# Altium PCB DSO.PcbDoc (part 2 of 2)
Units mil, origin at the board's own origin, x right, y up, seen from the top; angles counter-clockwise.
Board outline 4330.71 x 3937.01 mil, 2 copper layers (Top Layer, Bottom Layer), stack 61.855 mil thick; 140 components, 120 nets, 544 pads, 427 vias.
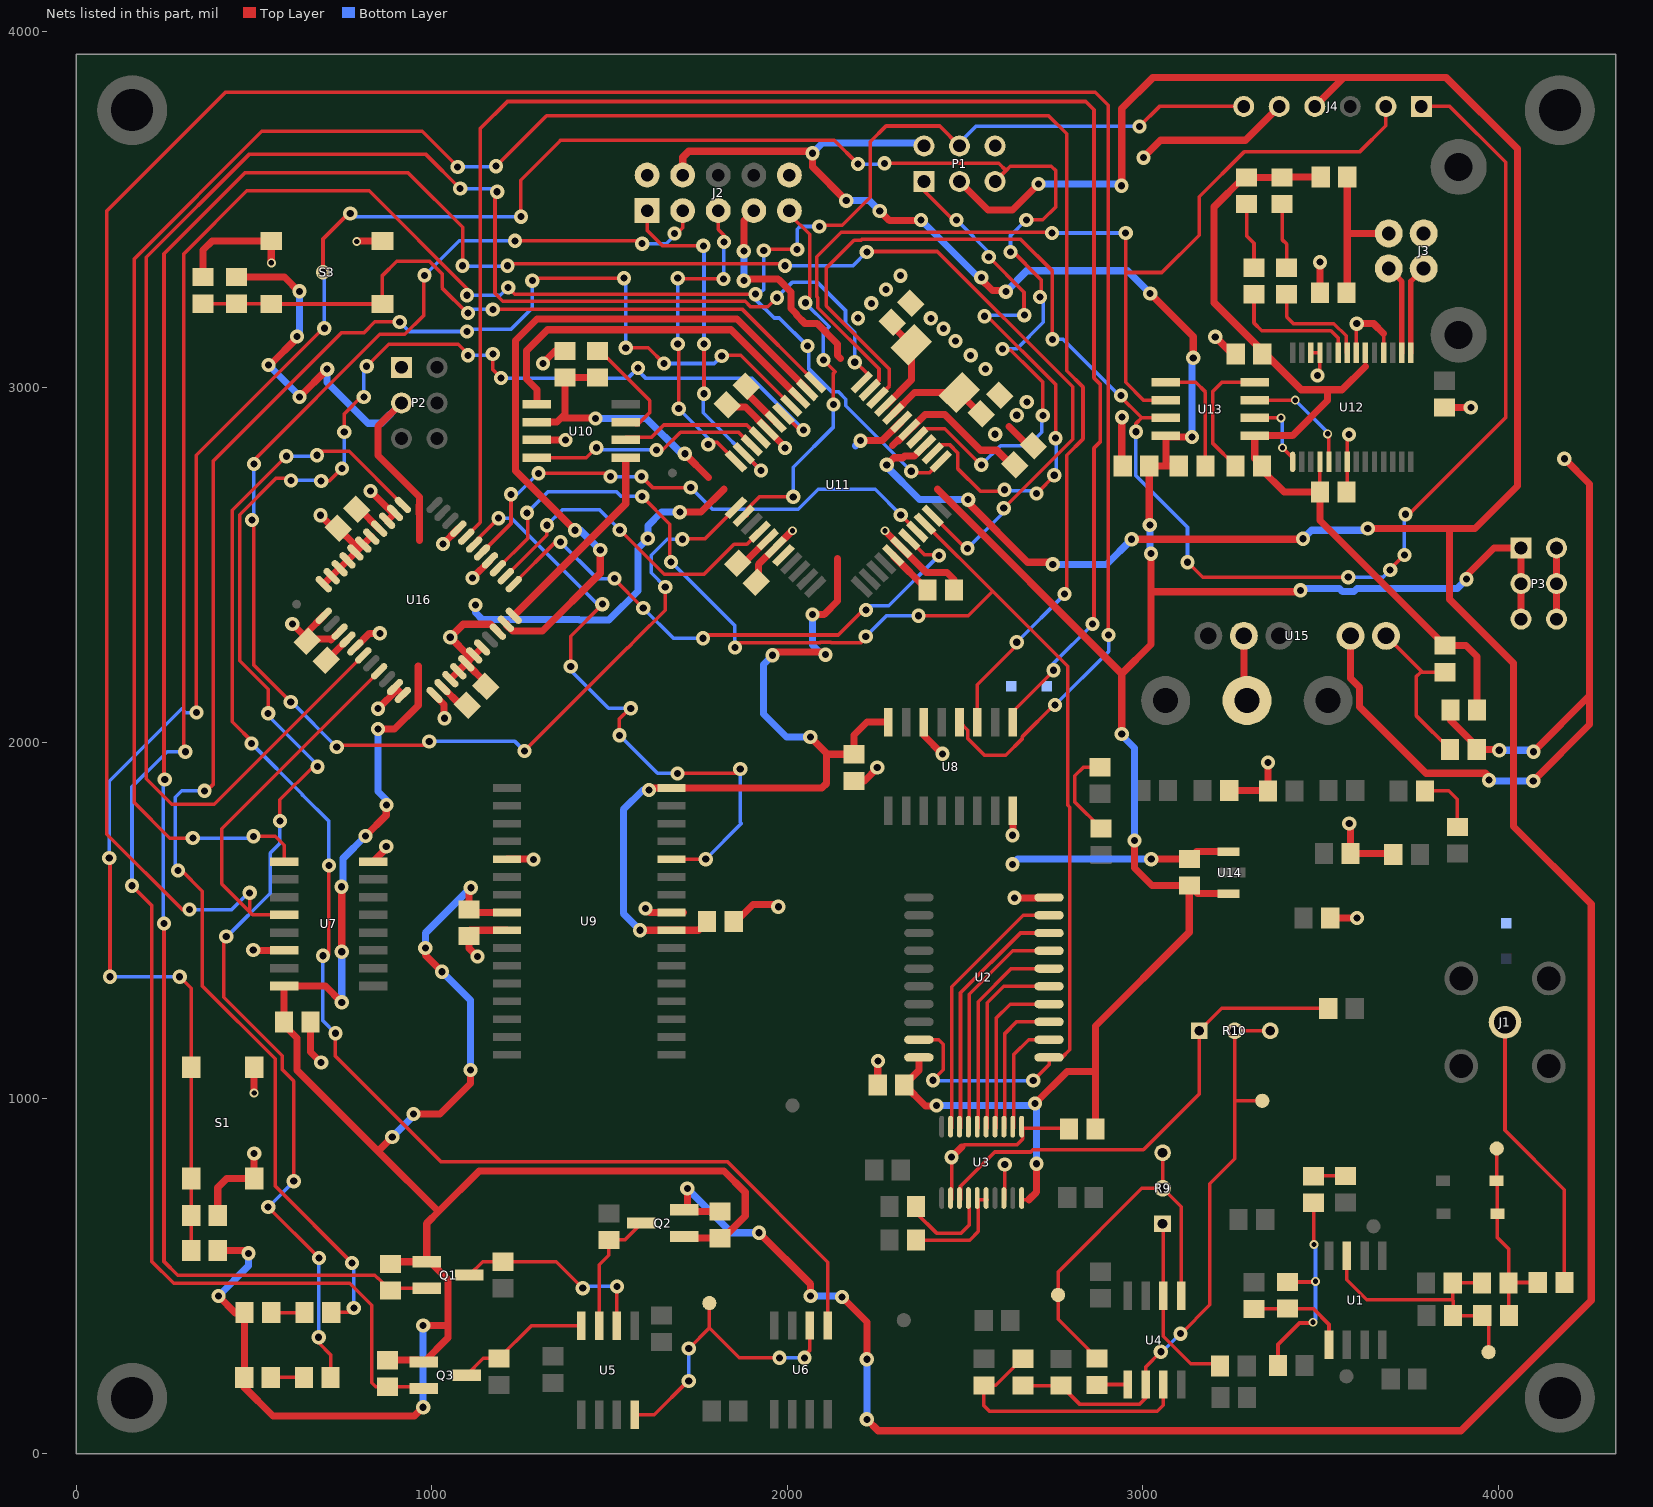
[diagram p2: the nets of this part, all layers, seen from the top]

## Via types
v1: diameter 40, hole 20, Top Layer to Bottom Layer, tented both sides, 415 vias
v2: diameter 25, hole 15, Top Layer to Bottom Layer, tented both sides, 12 vias

## Nets (pads, with @x,y where several pads share a name; then routed paths per layer and width w, separated by ;. In a path a pad name is that pad's centre, name@x,y a point inside that pad or via, vN(x,y) a via of type N, cw(c..) or ccw(c..) an arc to the next point about the centre after c; other vN are vias at no path point) (continued)
DGND: C12.2 C13.2 C18.2 C19.2 C20.2 C22.2 C23.2 C24.2 C25.2 C26.2 C28.2 C29.2 C34.1 C37.2 C41.2 C42.2 C43.2 C44.2 C48.2 C57.2 J2.2 J2.10 J4.5 NT2.2 P1.6 P2.1 S1.2 S3.2 U2.10 U3.1 U3.12 U3.18 U7.8 U7.14 U8.8 U8.14 U9.5 U9.9 U9.25 U10.3 U11.6 U11.18 U11.28 U11.39 U14.1 U16.4 U16.8 U16.13 U16.14 U16.16 U16.17 U16.18 U16.19 U16.20 U16.21 U16.22 U16.23 U16.25 U16.27 U16.32 U16.33 U16.34 U16.36 U16.37 U16.38 U16.39 U16.40 U16.42 | length 6425
  Top Layer w10: U3.12@2462.5,714.61 v1(2462.5,834.5) ; 2491,863 2497.88,869.88 2646.57,869.88 2662.5,885.81 2662.5,915.39 C48.2@2791.2,915.39 ; v1(2612,814) 2612,715.11 U3.18@2612.5,714.61
  Top Layer w20: C22.2@357,3309.9 357,3386 382.58,3411.58 S3.2@548.5,3411.58 548.5,3350.5 v2(549,3350) ; C20.2@398.24,670 398.24,749.24 423.5,774.5 S1.2@500.58,774.5 v1(500.58,845) ; v1(498,1417) 497,1416 U7.14@585,1416 ; v2(500.58,1015) S1.2@500.58,1087.5 ; v1(608,2334.2) C43.2@650.55,2291.65 ; C12.2@659.4,1215 659.4,1130.6 v1(689,1101) ; v1(687,2640) 723.45,2603.55 C42.2@736.55,2603.55 785.33,2554.78 U16.18@785.33,2535.5 ; U16.23@696.24,2357.33 650.55,2311.64 C43.2@650.55,2291.65 ; U16.22@696.24,2446.42 U16.18@785.33,2535.5 ; U16.25@740.79,2312.79 717.02,2289.02 717.02,2291.53 656.63,2291.53 C43.2@650.55,2285.45 C43.2@650.55,2291.65 ; U16.27@785.33,2268.25 825.08,2308 v1(854,2308) ; v2(789,3410) 790.58,3411.58 S3.2@861.5,3411.58 ; v1(828,2708) 889.41,2646.59 889.41,2639.59 U16.14@874.41,2624.58 ; U16.16@829.87,2580.04 U16.18@785.33,2535.5 ; U7.8@835,1666 872,1703 v1(872,1708) ; v1(849.24,2096) 902.24,2149 904.57,2149 U16.33@918.95,2134.62 ; U16.34@1008.04,2134.62 1035,2107.66 1035,2070 v1(1036,2069) ; v1(1032,2559.46) U16.8@1074.85,2602.31 ; U16.36@1052.58,2179.16 U16.38@1097.12,2223.71 ; C18.2@1105,1456.6 1105,1422 1128,1399 v1(1129,1399) ; C18.2@1107.57,1472.77 U9.9@1211.72,1472.77 ; v1(1115,2464) 1115,2464.29 U16.4@1163.94,2513.23 ; U16.40@1141.66,2268.25 U16.39@1119.39,2245.98 ; C44.2@1152.45,2158.45 1152.45,2168.38 U16.38@1097.12,2223.71 ; U16.42@1186.21,2312.79 1165.41,2333.58 1088.58,2333.58 v1(1052,2297) 1103.02,2245.98 U16.39@1119.39,2245.98 ; U9.5@1211.72,1672.77 1285.23,1672.77 v1(1286,1672) ; U10.3@1295.81,2852 v1(1376,2852) ; v1(1313,3067) 1313,3068 1347.15,3102.15 C57.2@1374.84,3102.15 ; v1(1601,1534) 1612.23,1522.77 U9.25@1674.71,1522.77 U9.25@1707.77,1522.77 ; C23.2@1831.55,2950.55 1831.55,2944.47 1882.41,2944.47 1944.95,2881.93 U11.18@1944.95,2881.06 1993.77,2832.24 v1(1993.77,2829.15) ; C19.2@1849.4,1497 1856,1497 1904,1545 1973,1545 1975,1543 v1(1975,1539) ; C24.2@1913.45,2451.55 1919.53,2451.55 1919.53,2502.08 U11.28@1967.22,2549.78 2014,2596.55 v2(2015,2596.55) ; C13.2@2187.63,1892.99 2217.18,1892.99 2253.19,1929 v1(2253.19,1930.39) ; v1(2206.4,2850) 2267.45,2850 U11.6@2320.78,2903.33 ; C37.2@2254.6,1038 2254.6,1104.6 v1(2255,1105) ; v2(2275,2596.55) 2275,2595.55 U11.39@2320.78,2549.78 2391.03,2479.53 2449.47,2479.53 2469.4,2459.6 C25.2@2469.4,2430 ; U8.14@2384.63,2058.39 2384.63,2020.37 2436,1969 v1(2437,1969) ; v1(2462.5,834.5) 2491,863 ; 2624,2890 2679,2835 C26.2@2692.45,2835 ; v1(2634,1740) 2634.63,1740.63 U8.8@2634.63,1808.39 ; v1(2639,1564) 2735.57,1564 U2.10@2736.57,1565 ; C48.2@2791.2,915.39 C48.2@2792.6,914 ; v1(2942,2916) 2942,2895.17 2941,2894.17 2941,2781.6 C34.1@2943.6,2779 ; v1(3002,3646) 3002,3647 3050,3695 3289,3695 J4.5@3384,3790 ; v1(3024,1672.77) 3024.63,1673.4 C41.2@3131,1673.4 3151.65,1694.06 U14.1@3241.2,1694.06 ; U16.38@1097.12,2223.71 U16.39@1119.39,2245.98
  Bottom Layer w20: v1(1975,1539) v1@1975,1543 ; 2192,2835.6 v1(2206.4,2850) ; v1(2633.83,1658.17) 2648.43,1672.77 v1(3024,1672.77)
  other v1: 2585,2868 2645.69,2921.35 2674,2959 2558,3051.86 2516,3090 2473,3130 2440,3165 2404,3194 2199,3194.55 2236.62,3236.22 2278,3275 2318.74,3314
DVCC: C12.1 C13.1 C18.1 C19.1 C23.1 C24.1 C25.1 C26.1 C31.1 C34.2 C37.1 C41.1 C42.1 C43.1 C44.1 C48.1 C57.1 D3.A D4.A J2.4 J2.7 P1.2 P2.3 P3.1 P3.3 P3.5 Q1.1 Q2.1 Q3.1 R13.2 R15.2 R17.2 R19.2 R20.2 R21.2 U2.20 U3.20 U7.16 U8.16 U9.8 U9.24 U9.32 U10.2 U11.5 U11.17 U11.27 U11.29 U11.38 U13.8 U14.3 U16.15 U16.26 U16.35 | length 21799
  Top Layer w10: U3.20@2662.5,714.61 2679.61,714.61
  Top Layer w20: R19.2@398.24,571.93 477.07,571.93 v1(485,564) ; v1(400,444) 447,397 D3.A@473.6,397 473.6,216 D4.A@472.6,215 472.6,187.4 554,106 951,106 v1(976,131) ; R21.2@451,3309.9 586.1,3309.9 627,3269 v1(628,3270) ; v1(541,3063) 545,3063 623,3141 v1(621,3143) ; C12.1@584.6,1215 584.6,1206.4 621,1170 621,1079 849,851 ; C12.1@585,1215.4 U7.16@585,1316 701,1316 v1(747,1270) ; v1(628,2973) v1(706,3051) ; C43.1@703.45,2232.55 705.09,2232.55 U16.26@763.06,2290.52 ; v1(746,1595) 747,1594 v1(747,1412.23) ; C42.1@789.45,2656.45 798.01,2656.45 U16.15@852.14,2602.31 ; v1(814,1738.17) 872,1796.17 872,1824 v1(873,1825) ; v1(849,2038.6) 895.6,2038.6 962.02,2105.02 962.02,2188.11 ; R17.2@876,263.4 Q3.1@973,263.4 ; R13.2@884,534.4 890,540.4 Q1.1@986,540.4 ; v1(889,891) 849,851 ; P2.3@915,2956 849.24,2890.24 849.24,2808.05 966,2691.29 966,2669.29 964.97,2668.26 964.97,2643.54 966,2642.51 966,2569 ; v1(949,956) 1023,956 1109,1042 v1(1109,1080) ; Q3.1@949.8,258.4 Q3.1@978,258.4 1046,326.4 1046,489.63 995.23,540.4 Q1.1@986,540.4 ; 962,2188.13 962,2216 ; v1(976,361) 1044,361 ; v1(982,1423) 982,1403 v1(1029,1356) ; U16.35@1030.31,2156.89 1081.65,2105.55 C44.1@1099.55,2105.55 ; v1(1110,1592.27) 1105,1587.27 C18.1@1105,1531.4 1113.63,1522.77 U9.8@1211.72,1522.77 ; U10.2@1295.81,2902 1352,2902 1363.5,2913.5 ; v1(1461,2912.66) 1460.16,2913.5 1363.5,2913.5 ; R20.2@1466.84,3027.35 C57.1@1374.84,3027.35 1374.84,2924.84 1363.5,2913.5 ; v1(1585.77,1472.77) U9.24@1674.71,1472.77 1750.37,1472.77 C19.1@1774.6,1497 ; v1(1611,1867) 1616.77,1872.77 U9.32@1674.71,1872.77 2097.34,1872.77 2111,1886.43 2111,1965.59 ; v1(1698,2648.83) 1757.69,2648.83 1822,2713.15 ; Q2.1@1700.77,611.6 Q2.1@1710,611.6 ; J2.4@1706,3597 1706,3647 1723,3664 2065,3664 v1(2070.74,3658.26) 2070.74,3620.26 v1(2166,3525) ; v1(1712,2813) 1779,2746 ; Q2.1@1715,606.6 R15.2@1811,606.6 1819.6,606.6 1882,669 1882,736 1822,796 1133.6,796 1020.3,682.7 ; C24.1@1860.55,2504.45 1877.35,2504.45 U11.27@1944.95,2572.05 ; v1(1878,3300) 1883,3305 1974.43,3305 1977.43,3302 1977.57,3302 2011,3268.57 2011,3221.43 2026.31,3206.12 2026.31,3203.12 2049.43,3180 2083.58,3180 2141.73,3121.85 2141.73,3089.15 2149.88,3081 ; v1(1878,3383) 1878,3469 J2.7@1906,3497 ; C23.1@1884.45,3003.45 1884.45,2986.11 U11.17@1967.22,2903.33 ; v1(1959,2246.19) 1968.81,2256 2100,2256 v1(2108,2248) ; v1(2065,2016) 2113.21,1967.79 2156.79,1967.79 ; v1(2071,2361) 2104,2361 2141.73,2398.73 2141.73,2519 ; C13.1@2187.63,1967.79 2187.63,2022.02 2224,2058.39 U8.16@2284.63,2058.39 ; v1(2260.23,3496) 2287.23,3469 2374,3469 v1(2376,3471) ; 2296,2836 2313.3,2853.3 2313.3,2848.98 2387.33,2923 2444.11,2923 2544.11,2823 2589.52,2823 2618.96,2793.55 2639.55,2793.55 C26.1@2639.55,2782.11 ; U11.38@2298.51,2527.51 2298.51,2526.09 C25.1@2394.6,2430 ; U2.20@2370.43,1115 2370.43,1079.03 C37.1@2329.4,1038 2389.4,978 2418,978 v1(2420,980) ; 2422.32,2713.15 2941,2194.47 ; v1(2546,3309) 2543,3306 2577,3272 2618,3272 v1(2615,3269) ; 2679.61,714.61 2701,736 v1(2701,816) ; v1(2697,985.23) 2786.77,1075 2867.4,1075 ; C48.1@2867.4,914 2867.4,1075 ; v1(2941,2025) 2941,2194.47 ; v1(2977,1725) 2977,1648 3026.4,1598.6 C41.1@3131,1598.6 ; v1(3020,2613) 3020,2612.2 3018.4,2610.6 C34.2@3018.4,2779 C31.1@3101.6,2779 ; v1(3021,3264) 3142,3143 v1(3142,3083) ; v1(3023,2532) 3023,2276.47 2941,2194.47 ; 3026,2425 3440,2425 v1(3444,2429) ; 3065,2781 U13.8@3065,2864 ; U13.8@3069.13,2859.87 v1(3139,2859.87) ; U14.3@3241.2,1575.94 3153.65,1575.94 C41.1@3131,1598.6 ; v1(3911,2460.4) 3911,2471 3988,2548 P3.1@4064,2548 P3.3@4064,2448 P3.5@4064,2348 ; 849,851 1017.3,682.7 1020.3,682.7 ; Q1.1@986,540.4 986,648.4 1020.3,682.7 ; 2867.4,1075 2867.4,1203.4 3131,1467 C41.1@3131,1598.6
  Bottom Layer w20: v1(400,444) 485,529 v1(485,564) ; v1(541,3063) 541,3062.77 635,2968.77 632.23,2968.77 v1(628,2973) ; v1(621,3143) 625.92,3143 628,3145.08 v1(628,3270) ; v1(706,3051) 706,3013.53 820.53,2899 858,2899 P2.3@915,2956 ; v1(746,1595) 751,1600 751,1675.17 v1(814,1738.17) ; v1(747,1270) v1(747,1412.23) ; v1(849,2038.6) 849,1862.8 873,1838.8 v1(873,1825) ; v1(889,891) 949,951 v1(949,956) ; v1(976,131) v1(976,361) ; v1(982,1423) 982,1464.27 v1(1110,1592.27) ; v1(1029,1356) 1109,1276 v1(1109,1080) ; v1(1122.83,2388) 1122.83,2366.3 1142.13,2347 1414.57,2347 1415.57,2346 1499.15,2346 1580,2426.85 1580,2546.75 v1(1608,2574.75) 1608,2610.75 1646.08,2648.83 v1(1698,2648.83) ; v1(1461,2912.66) 1603.44,2912.66 1703.09,2813 v1(1712,2813) ; v1(1585.77,1472.77) 1539,1519.54 1539,1812 1594,1867 v1(1611,1867) ; v1(1878,3300) v1(1878,3383) ; v1(1959,2246.19) 1933,2220.19 1933,2081 1998,2016 v1(2065,2016) ; v1(2070.74,3658.26) 2099.35,3686.87 2376.76,3686.87 P1.2@2384.63,3679 ; v1(2071,2361) 2071,2275 2098,2248 v1(2108,2248) ; v1(2166,3525) 2231.23,3525 v1(2260.23,3496) ; v1(2376,3471) 2538,3309 v1(2546,3309) ; v1(2420,980) 2691.77,980 2701,970.77 v1(2701,816) ; v1(2615,3269) 2673.87,3327.87 2957.13,3327.87 v1(3021,3264) ; v1(2941,2025) 2939,2023 2977,1985 v1(2977,1725) ; v1(3020,2613) 3020,2535 v1(3023,2532) ; v1(3139,2859.87) 3138.4,2859.87 3138.4,3079.4 v1(3142,3083) ; v1(3444,2429) 3449,2434 3553.43,2434 3561.43,2426 3594.57,2426 3602.57,2434 3884.6,2434 v1(3911,2460.4)
EDGE_SW: U11.41 U16.5 | length 1484.4
  Top Layer w10: U16.5@1141.66,2535.5 1223,2616.84 v1(1223,2699) ; v1(1300,2758) 1494,2758 v1(1503,2749) ; v1@1594.04,2744.96 v1(1590,2749) 1621,2718 v1(1728.63,2718) ; v1(2319.4,2641) 2319.53,2641 2365.32,2595.21 U11.41@2365.32,2594.32
  Bottom Layer w10: v1(1223,2699) 1241,2699 v1(1300,2758) ; v1(1503,2749) v1(1590,2749) ; v1(1728.63,2718) 1789.63,2657 2031.5,2657 2087.5,2713 2247.4,2713 v1(2319.4,2641)
ENABLE: U11.40 U16.1 | length 1550.6
  Top Layer w10: U16.1@1230.75,2446.42 1230.75,2447.75 1348,2565 v1(1362,2565) ; v1(1514,2462) 1512,2462 v1(1595,2379) ; v1(1763,2294) 1772.25,2303.25 2143.33,2303.25 v1@2213.36,2373.28 ; U11.40@2343.05,2572.05 2386.1,2529 2425,2529 v1(2427,2527)
  Bottom Layer w10: v1(1362,2565) 1465,2462 v1(1514,2462) ; v1(1595,2379) 1680,2294 v1(1763,2294) ; v1@2223.26,2375.74 2233.51,2386 2286,2386 v1(2427,2527)
  other v1: 2221.53,2373.28
ENABLE_COUNT: U7.12 U8.12 U16.30 | length 8418.3
  Top Layer w10: v1(319,1531) 298,1531 86,1743 86,3496 420,3830 2866,3830 2903.01,3792.99 2903.01,2303.99 v1(2904,2303) ; v1(488,1578) 488,1524 ; U7.12@585,1516 496,1516 488,1524 ; U16.30@852.14,2201.43 409,1758.29 409,1603 488,1524 ; U8.12@2484.63,2058.39 2507.63,2035.39 2507.63,2012.18 2554.81,1965 2614.45,1965 2661.63,2012.18 2661.63,2017.63 2750,2106 v1(2753,2106)
  Bottom Layer w10: v1(319,1531) 437.35,1531 488,1581.65 v1(488,1578) ; v1(2753,2106) 2904,2257 v1(2904,2303)
FAST_CLK: U10.5 U16.44 | length 575.2
  Top Layer w20: U16.44@1230.75,2357.33 1545.81,2672.39 U10.5@1545.81,2802
FILL_COMP: U11.11 U16.28 | length 5054.5
  Top Layer w10: U16.28@807.6,2245.98 388.62,1827 269,1827 197,1899 197,3366 486,3655 984,3655 v1(1080,3559) ; v1(1184.16,3550) 1178,3543.84 1178,3264.29 1200.29,3242 1881.5,3242 1896.5,3227 1945.58,3227 1970.58,3252 v1(1971,3252) ; v1(2189.88,3070.62) 2191.95,3072.69 2191.95,3083.95 2185.91,3077.91 2229.27,3034.54 U11.11@2209.42,3014.69 U11.11@2209.42,3018.81
  Bottom Layer w10: v1(1080,3559) 1175.16,3559 v1(1184.16,3550) ; v1(1971,3252) 1971,3252.42 2013.58,3295 2085,3295 2164,3216 2164,3180.06 2189.88,3154.17 v1(2189.88,3070.62)
FORCE: U11.26 U16.2 | length 932.5
  Top Layer w10: U16.2@1208.48,2468.69 1324,2584.21 v1(1324,2612) ; v1(1529,2599) 1654,2474 1766,2474 1850.42,2558.42 1886.78,2558.42 U11.26@1922.68,2594.32
  Bottom Layer w10: v1(1324,2612) 1367,2655 1473,2655 v1(1529,2599)
FULL: U8.9 U16.7 | length 4763.6
  Top Layer w10: U16.7@1097.12,2580.04 1137,2619.92 1137,3728 1213,3804 2840,3804 2863,3781 2863,3026.35 2880,3009.35 2880,2846.15 2863,2829.15 2863,2338 v1(2859,2334) ; U8.9@2634.63,2058.39 2634.63,2087.63 2750,2203 v1(2749,2204)
  Bottom Layer w10: v1(2749,2204) 2749,2224 v1(2859,2334)
IN_CLK: U10.1 U11.14 | length 1033.9
  Top Layer w20: U10.1@1295.81,2952 1295.81,2994.19 1267,3023 1267,3103 1326,3162 1842.18,3162 U11.14@2034.04,2970.14
LED_DATA: R23.1 U11.16 | length 4973.4
  Top Layer w10: v1@415,1448 415,1284.28 579.6,1119.69 579.6,1081 612,1048.6 v1(612,767) ; v1(540,694) 540.19,694 v1(683.19,551) ; v1(540,2083) 540,2150.3 459.87,2230.43 459.87,2641.62 562,2743.75 604.25,2743.75 606,2742 606,2740 v1(604,2738) ; v1(573,1780) 573,1839.5 666.5,1933 v1(679,1933) ; v1(682,328) 682,312 715.4,278.6 R23.1@715.4,215 ; v1(689,2736.6) 712.14,2736.6 v1(747.54,2772) ; v1(754,2874) 754,2925 802,2973 v1(809,2973) ; v1(817,3059.17) 878.83,3121 1075,3121 1104,3092 v1(1102,3090) ; v1(1172,3094) 1172,3050 1196,3026 v1(1195,3026) ; U11.16@1989.49,2925.6 2033.1,2882 2044,2882 v1(2046,2880)
  Bottom Layer w10: v1@424,1455 546.17,1577.17 546.17,1689.94 573,1716.77 v1(573,1780) ; v1(540,694) 612,766 v1(612,767) ; v1(540,2083) 540,2076 679,1937 v1(679,1933) ; v1(604,2738) 687.6,2738 v1(689,2736.6) ; v1(682,328) 682,549.81 v1(683.19,551) ; v1(747.54,2772) 754,2778.46 v1(754,2874) ; v1(809,2973) 808.58,2973.42 808.58,3050.75 v1(817,3059.17) ; v1(1102,3090) 1168,3090 v1(1172,3094) ; v1(1195,3026) 1552,3026 v1(1580,3054) 1580,3047.84 1602.84,3025 1901,3025 v1(2046,2880)
  other v1: 422,1455
LED_TRIG: R22.1 U11.15 | length 4944
  Top Layer w10: v1(286,1641) 296.5,1641 355,1582.5 355,1316 559.6,1111.4 559.6,753.4 v1(776,537) ; v1(361,1865) 367,1865 386,1884 386,2793 747,3154 810,3154 840,3184 v1(910,3184) ; R22.1@717.4,398 769,398 v1(781,410) ; v1(1283,3300) 1283,3295 1295,3307 v1(1541,3307) ; v1(1545.81,3111) 1609.57,3111 v1(1653.57,3067) ; v1(1816,3088) 1818,3090 1869.64,3090 U11.15@2011.77,2947.87
  Bottom Layer w10: v1(286,1641) 279,1648 279,1847 297,1865 v1(361,1865) ; v1(776,537) 781,532 v1(781,410) ; v1(910,3184) 937,3157 v1(1099,3157) 1105,3163 1223,3163 1283,3223 v1(1283,3300) ; v1(1541,3307) 1545.81,3302.19 v1(1545.81,3111) ; v1(1653.57,3067) 1795,3067 v1(1816,3088)
NetC1_1: C1.1 D1.A D2.K R1.2 R30.1 TP1.1 | length 562.3
  Top Layer w10: D2.K@3995.79,768 TP1.1@3995.79,859 ; D2.K@3997.79,766 D1.A@3997.79,675 3997.79,608.21 4029,577 R1.2@4029,481 C1.1@4029,390 ; R1.2@4030,482 R30.1@4111.2,482 R30.1@4112,482.8
NetC1_2: C1.2 C2.1 R1.1 R2.2 TP12.1 U1.3 | length 755.6
  Top Layer w10: U1.3@3574,557 3574,490 3630.47,433.53 3870.47,433.53 3872,432 ; R1.1@3954.2,481 3873,481 R2.2@3872,480 3872,432 ; TP12.1@3972.91,286 3972.91,371.28 C1.2@3955.2,389 C2.1@3873,389 3873,431 3872,432
NetC3_2: C3.2 R4.1 R5.1 | length 591.8
  Top Layer w10: C3.2@3380.6,248 3380.6,307.6 3441.01,368.01 3477.01,368.01 v2(3479,370) ; R5.1@3407,483.4 v2@3475.4,483.4 ; v2@3481,590 R4.1@3481,706
  Bottom Layer w10: v2(3479,370) 3486,377 v2(3486,485) 3486,585 v2(3482,589)
NetC4_2: C4.2 U3.15 U3.16 | length 299.8
  Top Layer w10: C4.2@2362.4,602 2363.4,601 2513,601 2537.5,625.5 2537.5,714.61 U3.16@2562.5,714.61
NetC5_2: C5.2 U3.14 | length 271.8
  Top Layer w10: C5.2@2362.4,696 2362.4,678.6 2420,621 2490,621 2512.5,643.5 U3.14@2512.5,714.61
NetC6_1: C6.1 R5.2 U1.5 | length 285.5
  Top Layer w10: C6.1@3313,407.6 R5.2@3406,407.6 ; R5.2@3407,408.6 3479.4,408.6 3524,364 U1.5@3524,307
NetC30_2: C30.2 U13.4 | length 364.6
  Top Layer w10: C30.2@3260.6,2779 3196.4,2843.2 3196.4,2987.4 3223,3014 U13.4@3315,3014
NetC31_2: C31.2 U13.5 | length 330.4
  Top Layer w10: U13.5@3065,3014 3149,3014 3176.4,2986.6 C31.2@3176.4,2779
NetC56_1: C56.1 L2.1 U15.1 | length 475.2
  Top Layer w10: U15.1@3684.39,2301 3786.79,2198.6 ; L2.1@3850.39,2198.6 3781.6,2198.6 3770,2187 3770,2075.6 C56.1@3864.6,1981
NetD3_K: D3.K R22.2 | length 93.2
  Top Layer w10: D3.K@548.4,397 R22.2@641.6,397
NetD4_K: D4.K R23.2 | length 93.2
  Top Layer w10: D4.K@547.4,215 R23.2@640.6,215
NetD5_K: D5.K R24.2 | length 187.9
  Top Layer w10: D5.K@3292,3515.6 3292,3426 3313,3405 R24.2@3313,3336.4
NetD6_K: D6.K R25.2 | length 184.6
  Top Layer w10: D6.K@3392,3515.6 3392,3416 3405,3403 R25.2@3405,3336.4
NetD7_K: D7.K R27.1 | length 263.6
  Top Layer w10: D7.K@2877,1934.4 D7.K@2880,1931.4 2833.4,1931.4 2809,1907 2809,1833.4 R27.1@2883,1759.4
NetD8_A: D8.A R26.1 | length 178.1
  Top Layer w10: D8.A@3794.4,1865 3861,1865 3885,1841 R26.1@3885,1763.4
NetJ1_1: J1.1 R30.2 | length 801.2
  Top Layer w10: J1.1@4019,1214 4019,910 4186,743 R30.2@4186,482
NetQ1_3: Q1.3 R14.1 U5.2 | length 574.4
  Top Layer w10: Q1.3@1106,503 1143.4,540.4 R14.1@1200,540.4 1350.6,540.4 v1(1425,466) ; U5.2@1521,360 v1(1521,471)
  Bottom Layer w10: v1(1425,466) 1430,471 v1(1521,471)
NetQ2_3: Q2.3 R16.1 U5.3 | length 364.3
  Top Layer w10: U5.3@1471,360 1471,531.86 1498.14,559 R16.1@1498.14,601.6 1542.6,601.6 Q2.3@1590,649
NetQ3_3: Q3.3 R18.1 U5.4 | length 380.6
  Top Layer w10: Q3.3@1098,221 1145.4,268.4 R18.1@1189,268.4 1280.6,360 U5.4@1421,360
NetR3_1: R3.1 R4.2 | length 90.4
  Top Layer w10: R4.2@3481,780.8 3482,781.8 R3.1@3571,781.8
NetR6_1: R6.1 R9.1 U4.2 | length 508.8
  Top Layer w10: R9.1@3058,645 U4.2@3058,445 3058,330.36 3135.36,253 3211.6,253 R6.1@3217.6,247
NetR7_1: R7.1 U4.5 | length 84.6
  Top Layer w10: R7.1@2873.4,195 U4.5@2958,195
NetR8_2: R8.2 R12.1 U4.7 | length 774.3
  Top Layer w10: R12.1@2663,267.4 2661.47,267.4 2586.67,192.6 R8.2@2553,192.6 2553,136 2569,120 3041,120 3058,137 U4.7@3058,195
NetR10_2: R10.2 R10.3 R11.1 R12.2 TP6.1 U4.6 | length 1689.6
  Top Layer w10: R12.2@2663.5,192.1 R11.1@2770,192.1 2822.1,140 2992,140 3008,156 U4.6@3008,195 3008,244 v1(3051,287) ; v1(3106,338) 3108,338 3189,419 3189,760 3259,830 R10.2@3259,1190 R10.3@3359,1190 ; 3261,993 TP6.1@3336.4,993
  Bottom Layer w10: v1(3051,287) 3055,287 v1(3106,338)
NetR20_1: R20.1 U10.7 | length 315
  Top Layer w10: R20.1@1473.68,3102.15 1613,2962.83 1613,2929 1579,2895 1574.52,2895 1567.52,2902 U10.7@1545.81,2902
NetU2_2: U2.2 U3.2 | length 324.4
  Top Layer w10: U3.2@2637.5,915.39 2637.5,1123.5 2679,1165 U2.2@2736.57,1165
NetU2_3: U2.3 U3.3 | length 404.6
  Top Layer w10: U3.3@2612.5,915.39 2612.5,1182.5 2645,1215 U2.3@2736.57,1215
NetU2_4: U2.4 U3.4 | length 475.5
  Top Layer w10: U3.4@2587.5,915.39 2587.5,1225.5 2627,1265 U2.4@2736.57,1265
NetU2_5: U2.5 U3.5 | length 546.6
  Top Layer w10: U3.5@2562.5,915.39 2562.5,1268.72 2608.78,1315 U2.5@2736.57,1315
NetU2_6: U2.6 U3.6 | length 594.2
  Top Layer w10: U3.6@2537.5,915.39 2537.5,1272 2630.5,1365 U2.6@2736.57,1365
NetU2_7: U2.7 U3.7 | length 671.3
  Top Layer w10: U3.7@2512.5,915.39 2512.5,1293.22 2634.28,1415 U2.7@2736.57,1415 U2.7@2755.5,1415
NetU2_8: U2.8 U3.8 | length 700
  Top Layer w10: U3.8@2487.5,915.39 2487.5,1296.5 2656,1465 U2.8@2736.57,1465
NetU2_9: U2.9 U3.9 | length 755.6
  Top Layer w10: U3.9@2462.5,915.39 2462.5,1313.5 2664,1515 U2.9@2736.57,1515
OVERFLOW: U7.9 U8.11 | length 6741.6
  Top Layer w10: v1(328,1732) 263,1732 163,1832 163,3361 522,3720 973,3720 v1(1073,3620) ; v1(499,1737) 560,1737 585,1712 U7.9@585,1666 ; v1(1181,3622) 1323,3764 2735,3764 2786,3713 2786,3046.78 2832,3000.78 2832,2854.72 2786,2808.72 2786,2425 v1(2780,2419) ; U8.11@2534.63,2058.39 2534.63,2163.35 2645.69,2274.4 v1(2645.69,2283)
  Bottom Layer w10: v1(328,1732) 494,1732 v1(499,1737) ; v1(1073,3620) 1179,3620 v1(1181,3622) ; v1(2645.69,2283) 2780,2417.31 v1(2780,2419)
PGND: C40.2 C52.2 C53.2 C54.2 C55.2 NT1.1 NT2.1 P3.2 P3.4 P3.6 TP10.1 U15.4 | length 852.9
  Top Layer w20: C52.2@3243.19,1866 C53.2@3351.39,1866 ; U15.4@3284.39,2301 3284.39,2128 TP10.1@3293.39,2119 ; C53.2@3352.39,1865 v1(3352.39,1944.61) ; C40.2@3527.4,1507 v1(3603,1507) ; v1(3581,1773) 3584.4,1769.6 C55.2@3584.4,1688.6 C54.2@3702.39,1688.6 ; P3.6@4164,2348 P3.4@4164,2448 P3.2@4164,2548
PLL_S0: U10.6 U11.19 | length 394.6
  Top Layer w10: U10.6@1545.81,2852 1545.81,2859 1618,2859 1653,2894 1886,2894 U11.19@1909.3,2870.7
PLL_S1: U10.4 U11.20 | length 655.2
  Top Layer w10: U10.4@1295.81,2802 1435,2802 v1(1463,2830) ; v1(1632,2824) 1650,2824 1700,2874 1862.93,2874 U11.20@1900.41,2836.52
  Bottom Layer w10: v1(1463,2830) 1463.37,2830.37 1469.74,2824 v1(1632,2824)
R\A\M\_\R\E\A\D\: U9.28 U16.6 | length 1811.1
  Top Layer w10: U16.6@1119.39,2557.77 1119.39,2563.39 v1(1188,2632) ; v1(1391,2214.66) 1391,2300 1480,2389 v1(1480,2390) ; v1(1528,2021) 1528,2067 1558,2097 v1(1560,2097) ; U9.28@1674.71,1672.77 v1(1770.77,1672.77) ; v1@1691,1922 v1(1691,1914) 1855.82,1914 v1(1867.82,1926)
  Bottom Layer w10: v1(1188,2632) 1224.24,2632 1466.24,2390 v1(1480,2390) ; v1(1391,2214.66) 1391,2203.37 1497.37,2097 v1(1560,2097) ; v1(1528,2021) 1528.23,2021 1635.23,1914 v1(1691,1914) ; v1(1770.77,1672.77) 1871,1773 1867.82,1776.18 v1(1867.82,1926)
RAM_READ: U2.1 U2.19 U11.42 U16.3 | length 4171.1
  Top Layer w10: U16.3@1186.21,2490.96 1270,2574.75 1270,2645 v1(1268,2647) ; v1(1592,2693) 1670,2615 1670,2500 1673,2503 v1(1673,2509) ; v1(1853,2268) 1867,2282 2092.5,2282 2093.5,2283 2122.5,2283 2123.5,2282 2208,2282 2221,2295 v1(2221,2299) ; v1(2369,2357.33) 2508.95,2357.33 2577.9,2426.28 ; U2.19@2370.43,1165 2426.5,1165 2439,1152.5 2439,1080 v1(2410,1051) ; U11.42@2387.59,2616.59 2577.9,2426.28 ; v1(2692,1050) 2736.57,1094.57 U2.1@2736.57,1115 2773,1115 2795,1137 2795,1819.12 2789,1825.12 2789,2215.18 2577.9,2426.28
  Bottom Layer w10: v1(1268,2647) 1327,2706 1520,2706 1533,2693 v1(1592,2693) ; v1(1673,2509) 1853,2329 v1(1853,2268) ; v1@2230,2292 2223,2299 v1(2221,2299) 2279.33,2357.33 v1(2369,2357.33) ; v1(2410,1051) 2411,1050 v1(2692,1050)
REFB: C7.2 R10.1 U3.13 | length 1383.9
  Top Layer w10: U3.13@2487.5,714.61 2487.5,752.5 2584,849 2684.5,849 2690.9,855.4 2972.5,855.4 2972.9,855 3002,855 3159,1012 R10.1@3159,1190 3222,1253 C7.2@3521.6,1253
RST: C20.1 P1.5 R19.1 S1.1 U11.4 | length 7143.3
  Top Layer w10: v1(93,1676) 95,1674 v1(95,1342) ; v1(291,1342) 323.42,1309.58 S1.1@323.42,1087.5 S1.1@323.42,774.5 C20.1@323.44,670 ; R19.1@323.44,571.93 C20.1@323.44,670 ; v1(338,2085) 338,2809 695,3166 v1(698,3166) ; v1(694.2,3323.79) 694.2,3417.2 766,3489 v1(771,3489) ; v1(1251,3480) 1250,3480 1250,3582 1362,3694 1362,3695 2132,3695 v1(2199,3628) ; v1(2274,3630) 2595,3630 2615.31,3609.69 ; U11.4@2365.32,2858.79 2374.51,2858.79 2374.51,2874.82 2383.21,2883.53 2442.66,2883.53 2544.19,2782 v1(2546,2782) ; P1.5@2584.63,3579 2615.31,3609.69 ; v1(2605.64,3107.86) 2609.5,3104 2629,3104 2661,3072 2662,3072 2719,3015 v1(2719,2921) ; v1(2628,3381) 2628,3389 2715,3302 2715,3258 v1(2711,3254) ; v1(2672.57,3471) 2672.44,3470.87 2718.87,3470.87 2755,3507 2755,3610 2743,3622 2627.63,3622 2615.31,3609.69
  Bottom Layer w10: v1(93,1676) 93,1892 297,2096 308,2085 v1(338,2085) ; v1(95,1342) v1(291,1342) ; v1(694.2,3323.79) 698,3323.79 v1(698,3166) ; v1(771,3489) 780,3480 v1(1251,3480) ; v1(2199,3628) 2272,3628 v1(2274,3630) ; v1(2546,2782) 2600.06,2836.06 2678.28,2836.06 2715.77,2873.55 2715.77,2917.77 v1(2719,2921) ; v1(2605.64,3107.86) 2645.47,3107.86 2720.6,3183 2720.6,3244.4 v1(2711,3254) ; v1(2628,3381) 2628,3427 2628.57,3427 v1(2672.57,3471)
RX: J4.1 U11.9 U13.7 | length 4461.1
  Top Layer w10: U11.9@2253.96,2970.14 2287.6,3003.78 2287.6,3050.69 2109.4,3228.88 2109.4,3335.4 2188,3414 2207.5,3414 2209.5,3416 2657,3416 2746,3327 v1(2746,3135) ; v1(2939,2977) 2934,2977 2997,2914 ; v1(2981,2875) 2981,2898 2997,2914 ; U13.7@3065,2914 2997,2914 ; v1(3126,2508) 3129,2511 3129,2505.39 3168.39,2466 v1(3578,2466) ; v1(3696,2486) 3692.25,2482.25 3690,2482.25 v1(3736,2528.25) ; v1(3739,2643) 3739,2637 3738,2636 3742,2636 4021,2915 4021,3633 3864,3790 J4.1@3784,3790
  Bottom Layer w10: v1(2746,3135) 2775.96,3135 2933.96,2977 v1(2939,2977) ; v1(2981,2875) 2981,2751 3126,2606 v1(3126,2508) ; v1(3578,2466) 3676,2466 v1(3696,2486) ; v1(3736,2528.25) 3736,2633 3739,2636 v1(3739,2643)
RX_ISO: U12.1 U13.2 | length 211.1
  Top Layer w10: U13.2@3315,2914 v2(3389,2914) ; v2(3393,2830) 3421.66,2801.34 U12.1@3421.66,2790.46
  Bottom Layer w10: v2(3389,2914) 3393,2910 v2(3393,2830)
RXLED: R25.1 U12.22 | length 303
  Top Layer w10: R25.1@3405,3261.6 3405,3198 3424,3179 3537.79,3179 3572.09,3144.69 3572.09,3097.54 U12.22@3575.2,3097.54
SCK: J4.4 P1.3 Q2.2 R15.1 U11.3 | length 10795.1
  Top Layer w20: Q2.2@1710,686.4 1719,695.4 v1(1719,746) ; Q2.2@1715,681.4 R15.1@1811,681.4 ; v1(1921,622) 2066,477 v1(2066,444) ; v1(2154,441) 2224,371 v1(2224,266) ; v1(2224,97) 2256,65 3894.83,65 4261.59,431.76 4261.59,1546.41 4043,1765 4043,2224 3863,2404 3863,2603 ; v1(2280,2782) 2300,2802 2325.73,2802 2330.73,2807 2338.71,2807 2338.94,2806.77 2355.73,2806.77 2355.73,2807 2358.07,2807 U11.3@2387.59,2836.52 ; P1.3@2484.63,3579 2564.63,3499 2634,3499 v1(2707,3572) ; v1(2509,2684) 2509,2675.3 2676.3,2508 2747,2508 v1(2747,2502.05) ; v1(2940,3567) 2941,3568 2941,3784 3028,3871 3565,3871 ; v1(2968.94,2572.59) 3449.59,2572.59 v1(3451,2574) ; J4.4@3484,3790 3565,3871 ; v1(3633,2603) 3863,2603 ; 3565,3871 3854,3871 4054,3671 4054,2722 3935,2603 3863,2603
  Bottom Layer w20: v1(1719,746) 1843,622 v1(1921,622) ; v1(2066,444) 2151,444 v1(2154,441) ; v1@2224,114 v1(2224,266) ; v1(2280,2782) 2280,2776.43 2372.43,2684 v1(2509,2684) ; v1(2707,3572) 2935,3572 v1(2940,3567) ; v1(2747,2502.05) 2898.39,2502.05 v1(2968.94,2572.59) ; v1(3451,2574) 3475,2598 3633,2598 v1(3633,2603)
SDA: J4.6 P1.4 Q3.2 R17.1 U11.1 | length 8466.1
  Top Layer w10: v1(157,1598) 212,1543 212,542 274,480 769,480 831.47,417.53 831.47,199.53 842.4,188.6 R17.1@876,188.6 Q3.2@973,188.6 ; v1(307,1975) 303,1975 303,3376 480,3553 824,3553 1099,3278 v1(1099,3259) ; v1(1215,3281) 1234,3262 v1(1911,3262) ; v1@1931,3388 v1(2028,3388) ; v1(2090.34,3452.34) 2094,3456 2155,3456 2234,3535 2234,3691 2278,3735 2428.63,3735 P1.4@2484.63,3679 ; v1(2349,2764) 2355,2758 2365.64,2758 2367.64,2760 2400.16,2760 U11.1@2432.13,2791.97 ; v1(2991,3734) 3047,3790 J4.6@3284,3790
  Bottom Layer w10: v1(157,1598) 157,1876 256,1975 v1(307,1975) ; v1(1099,3259) 1193,3259 v1(1215,3281) ; v1(1934,3385) 1934,3275 1926,3267 1920,3273 1911,3264 v1(1911,3262) 1911,3247.2 1963.2,3195 1978,3195 v1(2057,3116) 2060,3113 2060,3053 2126,2987 2144.5,2987 2165,2966.5 2165,2948 v1(2349,2764) v1@2355,2758 ; v1(2028,3388) 2028,3444.4 2035.94,3452.34 v1(2090.34,3452.34) ; P1.4@2484.63,3679 2484.63,3687.63 2531,3734 v1(2991,3734)
SLA: P1.1 U11.2 | length 1659.9
  Top Layer w10: P1.1@2384.63,3579 2384.63,3553.37 2473,3465 2476,3468 v1(2476,3471) ; U11.2@2409.86,2814.25 2434.6,2838.99 2456.44,2838.99 2479.15,2816.28 2479.15,2771.85 2543.71,2707.29 2615.09,2707.29 2615.09,2707.91 v1(2611,2712) ; v1(2555,3200) 2563,3200 2755,3008 v1(2755,2857) ; v1(2566.96,3366.81) 2666,3267.78 2666,3204 v1(2667,3203) ; v1(2701,2701) 2755,2755 2753.5,2755 v1(2751,2752.5)
  Bottom Layer w10: v1(2476,3471) 2574.31,3372.69 2574.31,3359.46 v1(2566.96,3366.81) ; v1@2555,3196 v1(2555,3200) 2558,3203 v1(2667,3203) ; v1(2611,2712) 2614,2709 2693,2709 v1(2701,2701) ; v1(2751,2752.5) 2751,2759.87 2757.13,2766 2757.13,2854.87 v1(2755,2857)
SLOW_CLK: U11.13 U16.43 | length 2035.2
  Top Layer w20: U16.43@1208.48,2335.06 1210.59,2335.06 1210.59,2330.61 1226.93,2314.27 1311.27,2314.27 1474,2477 v1(1474,2542) ; v1(1403,2598) 1235.81,2765.19 1235.81,3131.81 1296,3192 1859.06,3192 U11.13@2057.48,2993.58
  Bottom Layer w20: v1(1403,2598) 1418,2598 v1(1474,2542)
T_CS: Q1.2 R13.1 U11.43 | length 7316.9
  Top Layer w10: v1(247,1492) 247,541 286,502 840.07,502 848.26,493.81 849.79,493.81 R13.1@878,465.6 ; v1(249,1897) 247,1895 247,3376 474,3603 934,3603 1087,3450 v1(1087,3342) ; R13.1@890,465.6 Q1.2@986,465.6 ; v1(1213,3342) 1219,3348 1988,3348 v1(1994,3342) ; v1(2224,3381) 2225,3382 2422.5,3382 2803,3001.5 2803,2854 v1(2609,2660) ; U11.43@2409.86,2638.86 2503,2545.72 2505.72,2545.72 v1(2507,2547)
  Bottom Layer w10: v1(247,1492) 245,1490 245,1893 v1(249,1897) ; v1(1087,3342) 1088,3341 v1@1211,3341 ; v1(1994,3342) 2185,3342 v1(2224,3381) ; v1(2507,2547) 2609,2649 v1(2609,2660)
TCK: J2.1 U11.21 | length 1002.1
  Top Layer w10: J2.1@1606,3497 1606,3441 1649,3398 v1(1764,3398) ; v1(1766,2982) v1(1766,3122) ; U11.21@1878.14,2814.25 v1(1926.39,2766)
  Bottom Layer w10: v1(1764,3398) 1766,3396 v1(1766,3122) ; v1(1766,2982) 1764,2982 1764,2928.39 v1(1926.39,2766)
TDI: J2.9 U11.24 | length 1104.1
  Top Layer w10: U11.24@1878.14,2638.86 1887.55,2638.86 1887.55,2657.68 1921.87,2692 v1(2017,2692) ; J2.9@2006,3497 2006,3487.18 2063,3430.18 2063,3253 2051,3241 v1(2051,3238) ; v1(2101.73,3077) 2120.86,3057.86 2121,3057.86 2135,3043.86 2130,3038.86 v1(2130,2952)
  Bottom Layer w10: v1(2017,2692) 2017,2775.37 2130,2888.37 v1(2130,2952) ; v1(2051,3238) 2050,3238 2118,3170 2101.73,3153.73 v1(2101.73,3077)
TDO: J2.3 U11.23 | length 4117.7
  Top Layer w10: v1(494.87,2627.13) 500,2622 500,2218.59 v1(603.59,2115) ; v1(500,2784.2) 500,2795 854,3149 924.5,3149 977,3201.5 977,3318 v1(980,3315) ; v1(733,1988) 728,1993 982.4,1993 v1(993,2003.6) ; v1(1234.65,3412) 1594,3412 1594,3406 v1(1592,3404) ; v1(1260.72,1977) 1551.72,2268 1552.5,2268 1573,2288.5 1573,2289.28 1657,2373.28 v1(1657,2438.42) ; v1(1683,3433) 1683,3426 1706,3449 J2.3@1706,3497 ; v1(1705,2572.59) 1703,2574.59 1769.33,2574.59 U11.23@1855.87,2661.13
  Bottom Layer w10: v1(494.87,2627.13) 500,2632.25 v1(500,2784.2) ; v1(603.59,2115) 606,2115 v1(733,1988) ; v1(980,3315) 1077,3412 v1(1234.65,3412) ; v1(993,2003.6) 994.4,2005 1232.72,2005 v1(1260.72,1977) ; v1(1592,3404) 1659.31,3404 1683.31,3428 1683,3428.31 v1(1683,3433) ; v1(1657,2438.42) 1617.5,2477.92 1617.5,2527.5 1662.59,2572.59 v1(1705,2572.59)
TMS: J2.5 U11.22 | length 942.4
  Top Layer w10: v1(1692,3122) 1693.31,3123.31 1695,3123.31 v1(1695,2940) ; v1(1692,3307) 1692,3314 1701,3305 v1(1821,3305) ; v1(1778,2839) 1778,2845.4 1802.45,2845.4 U11.22@1855.87,2791.97 ; J2.5@1806,3497 1806,3444 1822,3428 v1(1822,3409)
  Bottom Layer w10: v1(1692,3122) v1(1692,3307) ; v1(1695,2940) 1778,2857 v1(1778,2839) ; v1(1822,3409) 1822,3316 v1@1823,3315
TRIG: U6.1 U16.12 | length 4113.2
  Top Layer w10: v1(493,1998) 500,1998 439,2059 439,2654 v1(591,2806) ; v1(677,2809) 688,2820 768.08,2820 U16.12@918.95,2669.13 ; v1(694,1401) 694,1395 697,1392 711,1406 v1(711,1655) ; v1(729,1183) 729,1119 1027,821 1832.36,821 2114,539.36 U6.1@2114,361
  Bottom Layer w10: v1(493,1998) 637,1854 636,1853 637,1853 711,1779 v1(711,1655) ; v1(591,2806) 674,2806 v1(677,2809) ; v1(694,1401) 694,1218 v1(729,1183)
TRIG_BTN: C22.1 R21.1 S3.1 U11.12 | length 2002.8
  Top Layer w10: C22.1@357,3235.09 R21.1@451,3235.09 S3.1@547.83,3235.09 ; S3.1@541.09,3227 S3.1@548.5,3234.42 S3.1@861.5,3234.42 861.5,3314.5 902,3355 993.72,3355 1029.06,3319.66 1029.06,3279.44 1099.5,3209 v1(1102,3209) ; v1(1172,3219) 1874.26,3219 U11.12@2078.58,3014.68
  Bottom Layer w10: v1(1102,3209) 1102,3212 1109,3219 v1(1172,3219)
TX: J4.2 U11.10 U13.6 | length 2936.5
  Top Layer w10: U11.10@2231.69,2992.41 2258.14,3018.86 2258.14,3051.86 2086,3224 2086,3252.5 2083,3255.5 2083,3367 2152,3436 2748,3436 2746,3434 v1(2745,3434) ; v1(2952,3434) 2952,3323 ; U13.6@3065,2964 3002,2964 2952,3014 2952,3323 ; J4.2@3684,3790 3684,3736 3610,3662 3285,3662 3159,3536 3159,3428 3054,3323 2952,3323
  Bottom Layer w10: v1(2745,3434) v1(2952,3434)
TX_ISO: U12.5 U13.3 | length 326.7
  Top Layer w10: U13.3@3315,2964 v2(3429,2964) ; v2(3520,2869) 3523.43,2865.57 U12.5@3523.43,2790.46
  Bottom Layer w10: v2(3429,2964) 3520,2873 v2(3520,2869)
TXLED: R24.1 U12.23 | length 376
  Top Layer w10: R24.1@3313,3261.6 3313,3181 3335,3159 3529.5,3159 3549.61,3138.89 U12.23@3549.61,3097.54
USB_N: J3.2 U12.16 | length 252.2
  Top Layer w15: J3.2@3692.06,3334.57 3728.75,3297.87 U12.16@3728.75,3097.54
USB_P: J3.3 U12.15 | length 252
  Top Layer w15: U12.15@3754.34,3097.54 3754.34,3298.43 J3.3@3790.48,3334.57
USB_VCC_NET: C32.1 J3.1 L1.2 | length 437.7
  Top Layer w20: C32.1@3575.4,3268 L1.2@3575.4,3592 ; 3578.39,3432.99 J3.1@3692.06,3432.99
USBGND: C32.2 C33.2 C35.2 C36.2 C51.2 C56.2 J3.4 U12.7 U12.18 U12.21 U12.25 U12.26 U15.2 | length 3042.4
  Top Layer w10: U12.26@3472.84,3097.54 U12.25@3498.43,3097.54 v1@3498.43,3039.43 ; C36.2@3575.2,2707.8 U12.7@3575.2,2790.46 v1@3575.2,2862.2 ; U12.21@3600.8,3097.54 v1@3600.8,3177.8 ; U12.18@3677.57,3097.54 3677.57,3151.43
  Top Layer w20: v1(3204,3142) 3252,3094 C33.2@3261.6,3094 ; v1@3487,3038 v1(3492,3033) ; C32.2@3498.6,3266 3498.6,3351.6 v1(3499,3352) ; v1@3575.2,2862.2 v1(3580,2867) ; U15.2@3584.39,2301 3584.39,2181.72 3610.28,2155.82 3610.28,2100.72 3796.47,1914.53 3964.47,1914.53 3974,1905 v1(3974,1895) ; v1@3600.8,3177.8 v1(3602,3179) 3650,3179 3677.57,3151.43 ; C35.2@3849,2943.6 3922.4,2943.6 v1(3923,2943) ; C51.2@3865.6,2093 3865.6,2063.4 3939.4,1989.6 C56.2@3939.4,1981 4003,1981 v1(4003,1979) ; v1(4098.53,1893) 4257,2051.47 4257,2132.78 ; v1(4099.22,1975) 4257,2132.78 ; v1(4186,2799) 4257,2728 4257,2132.78
  Bottom Layer w20: v1(3492,3033) 3492.83,3033 v1@3498.14,3038.31 ; v1(3974,1895) 3976,1893 v1(4098.53,1893) ; v1(4003,1979) 4095.22,1979 v1(4099.22,1975)
USBVCC: C30.1 C33.1 C36.1 C51.1 D5.A D6.A L1.1 L2.2 U12.4 U12.20 U13.1 | length 2677.5
  Top Layer w10: C36.1@3498.43,2706.16 U12.4@3498.43,2790.46 ; 3626.39,3058.83 U12.20@3626.39,3097.54
  Top Layer w20: D6.A@3392,3590.4 D5.A@3292,3590.4 3283.4,3590.4 3201,3508 3201,3238 3446,2993 3560.56,2993 3626.39,3058.83 ; D6.A@3393.6,3592 L1.1@3500.6,3592 ; 3520,2991 3520,2963 3421,2864 U13.1@3315,2864 3315,2799.4 C30.1@3335.4,2779 3335.4,2767.6 3397,2706 C36.1@3498.6,2706 3498.6,2625.19 L2.2@3850.39,2273.4 3909.6,2273.4 3940.4,2242.6 C51.1@3940.4,2093
V_AMP_OUT: R7.2 R9.2 R9.3 TP5.1 U4.1 | length 1103.7
  Top Layer w10: R7.2@2872,268.4 2762,378.4 TP5.1@2762,447 2762,511.5 2997.5,747 R9.2@3056,747 ; R9.3@3056,847 R9.2@3056,747 ; U4.1@3108,445 3108,695 R9.2@3056,747
VOUT_DAC: TP7.1 U5.8 U6.2 | length 832
  Top Layer w10: U5.8@1571,110 1626,110 1721,205 v1(1723,205) ; v1(1723,296) 1781,354 ; 1781,355 TP7.1@1781,424 ; 1782,353 1865,270 v1(1978,270) ; v1(2049,270) 2049,277 2064,292 U6.2@2064,361
  Bottom Layer w10: v1(1723,205) v1(1723,296) ; v1(1978,270) v1(2049,270)
XTAL1: C29.1 U11.8 X1.2 | length 278.3
  Top Layer w20: U11.8@2276.23,2947.87 2349.14,3020.78 X1.2@2349.14,3119.58 C29.1@2295.15,3173.57
XTAL2: C28.1 U11.7 X1.1 | length 294.7
  Top Layer w20: U11.7@2298.51,2925.6 2358.17,2985.26 X1.1@2483.46,2985.26 C28.1@2543.62,2925.11
pads on no net: F1. F2. H1.0 H2.0 H3.0 H4.0 J2.6 J2.8 J3. U6.5 U6.6 U6.7 U10.8 U11.44 U12.2 U12.3 U12.6 U12.8 U12.9 U12.10 U12.11 U12.12 U12.13 U12.14 U12.19 U12.24 U12.27 U12.28

## Polygon pours and split planes (outlines as drawn)
DGND on Top Layer "GUARDRING" (solid, remove dead copper, pour order 22): 2199.36,3234.83 2162.51,3197.05 2199.36,3160.19 2560,2799.55 2713.72,2953.28 2314.32,3352.68
DVCC on Top Layer "DVCC" (solid, remove dead copper, pour order 18): 1758,2726.55 2144,3112.55 2145,3112.55 2146,3112.55 2502,2756.55 2499,2753.55 2499,2709.55 2499,2706.55 2137,2344.55
DVCC on Top Layer "DVCC_CPLD" (solid, remove dead copper, pour order 26): 574.65,2404.4 957,2022.05 957,2023 1311,2377 941.34,2746.66
DGND on Bottom Layer "DGND" (solid, remove dead copper, pour order 16): 25,3912 3036,3912 3036,2682 2670,2682 2670,788 1263,788 1263,25 25,25
PGND on Bottom Layer "PGND" (solid, remove dead copper, pour order 14): 4294,2636 4294,1475 2689.36,1475 2692.37,2636
USBGND on Bottom Layer "USBGND" (solid, remove dead copper, pour order 12): 4305,3911 3148,3911 3163,3896 3163,2753 4305,2753
AGND on Bottom Layer "AGND" (solid, remove dead copper, pour order 10): 2738,786 1281,786 1281,25 4306,25 4305.02,1420 3681,1420 2738,1420

## Keep-outs
Keep-Out Layer:
  the board outline again, w50

## Silkscreen, mask and mechanical layers (free items; w line width, h text height)
Top Overlay:
  text "Screen Pins" at 3347,3856 h39.37
  text "ISP" at 2426,3775 h39.37
  text "Trigger" at 580,3491 h39.37
  text "JTAG - MCU" at 994.81,3436 h39.37
  text "Clock" at 1338,3226 h39.37
  text "Control" at 1875,3172 h39.37
  text "Isolator" at 2882,3144 h39.37
  text "JTAG - CPLD" at 404,2866 h39.37
  text "USB" at 3823,2792 h39.37
  text "Power Pins" at 3849,2623 h39.37
  text "Power" at 3157,2568 h39.37
  text "-5" at 3642,2096 h60
  text "+5" at 2859,2094 h60
  text "Counter" at 1967,2082 h39.37
  text "CPLD" at 894,2011 h39.37
  text "+5LED" at 2768,2001 h39.37
  text "-5LED" at 3860,1844 h39.37
  text "Counter" at 345,1720 h39.37
  text "Buffer" at 2457,1635 h35.43
  text "BNC" at 3652,1117 h39.37
  text "RAM" at 1367.04,1016 h39.37
  text "ADCCLK" at 1742,963 h39.37
  text "Offset" at 3394,942 h39.37
  text "Reset" at 589,911 h39.37
  text "Clamp" at 4045,902 h39.37
  text "ADC" at 2154,869.88 h39.37
  text "Trigger" at 1101,742 h39.37
  text "Buf" at 3699,629 h39.37
  text "CompIN" at 1858,505.6 h39.37
  text "ScaleDown" at 2373,448 h39.37
  text "DAC" at 1391,433 h39.37
  text "Comparator" at 1875,426 h39.37
  text "Trig" at 442,298 h39.37
  text "Adcinput" at 2182,234 h39.37
  text "Network" at 3827,209 h39.37
  text "Data" at 444,118 h39.37
  text "AAFilt" at 3451,73 h39.37
Mechanical 1:
  the board outline again, w10

## Text inside footprints (layer, text, board x,y; h text height)
Name*: Top Overlay "Matthew Yong - 765353" at 334,3783 h39.37
P1: Top Overlay "1" at 2297,3555 h50
P2: Top Overlay "1" at 823,3037 h50
P3: Top Overlay "1" at 3983,2533 h50